# Altium PCB DPC_ICE_UP.PcbDoc
Units mil, origin at the board's own origin, x right, y up, seen from the top; angles counter-clockwise.
Board outline 2000 x 2000 mil, 4 copper layers (Component Side, Inner Layer 1, Inner Layer 2, Solder Side), stack 33.234 mil thick; 106 components, 83 nets, 364 pads, 77 vias.
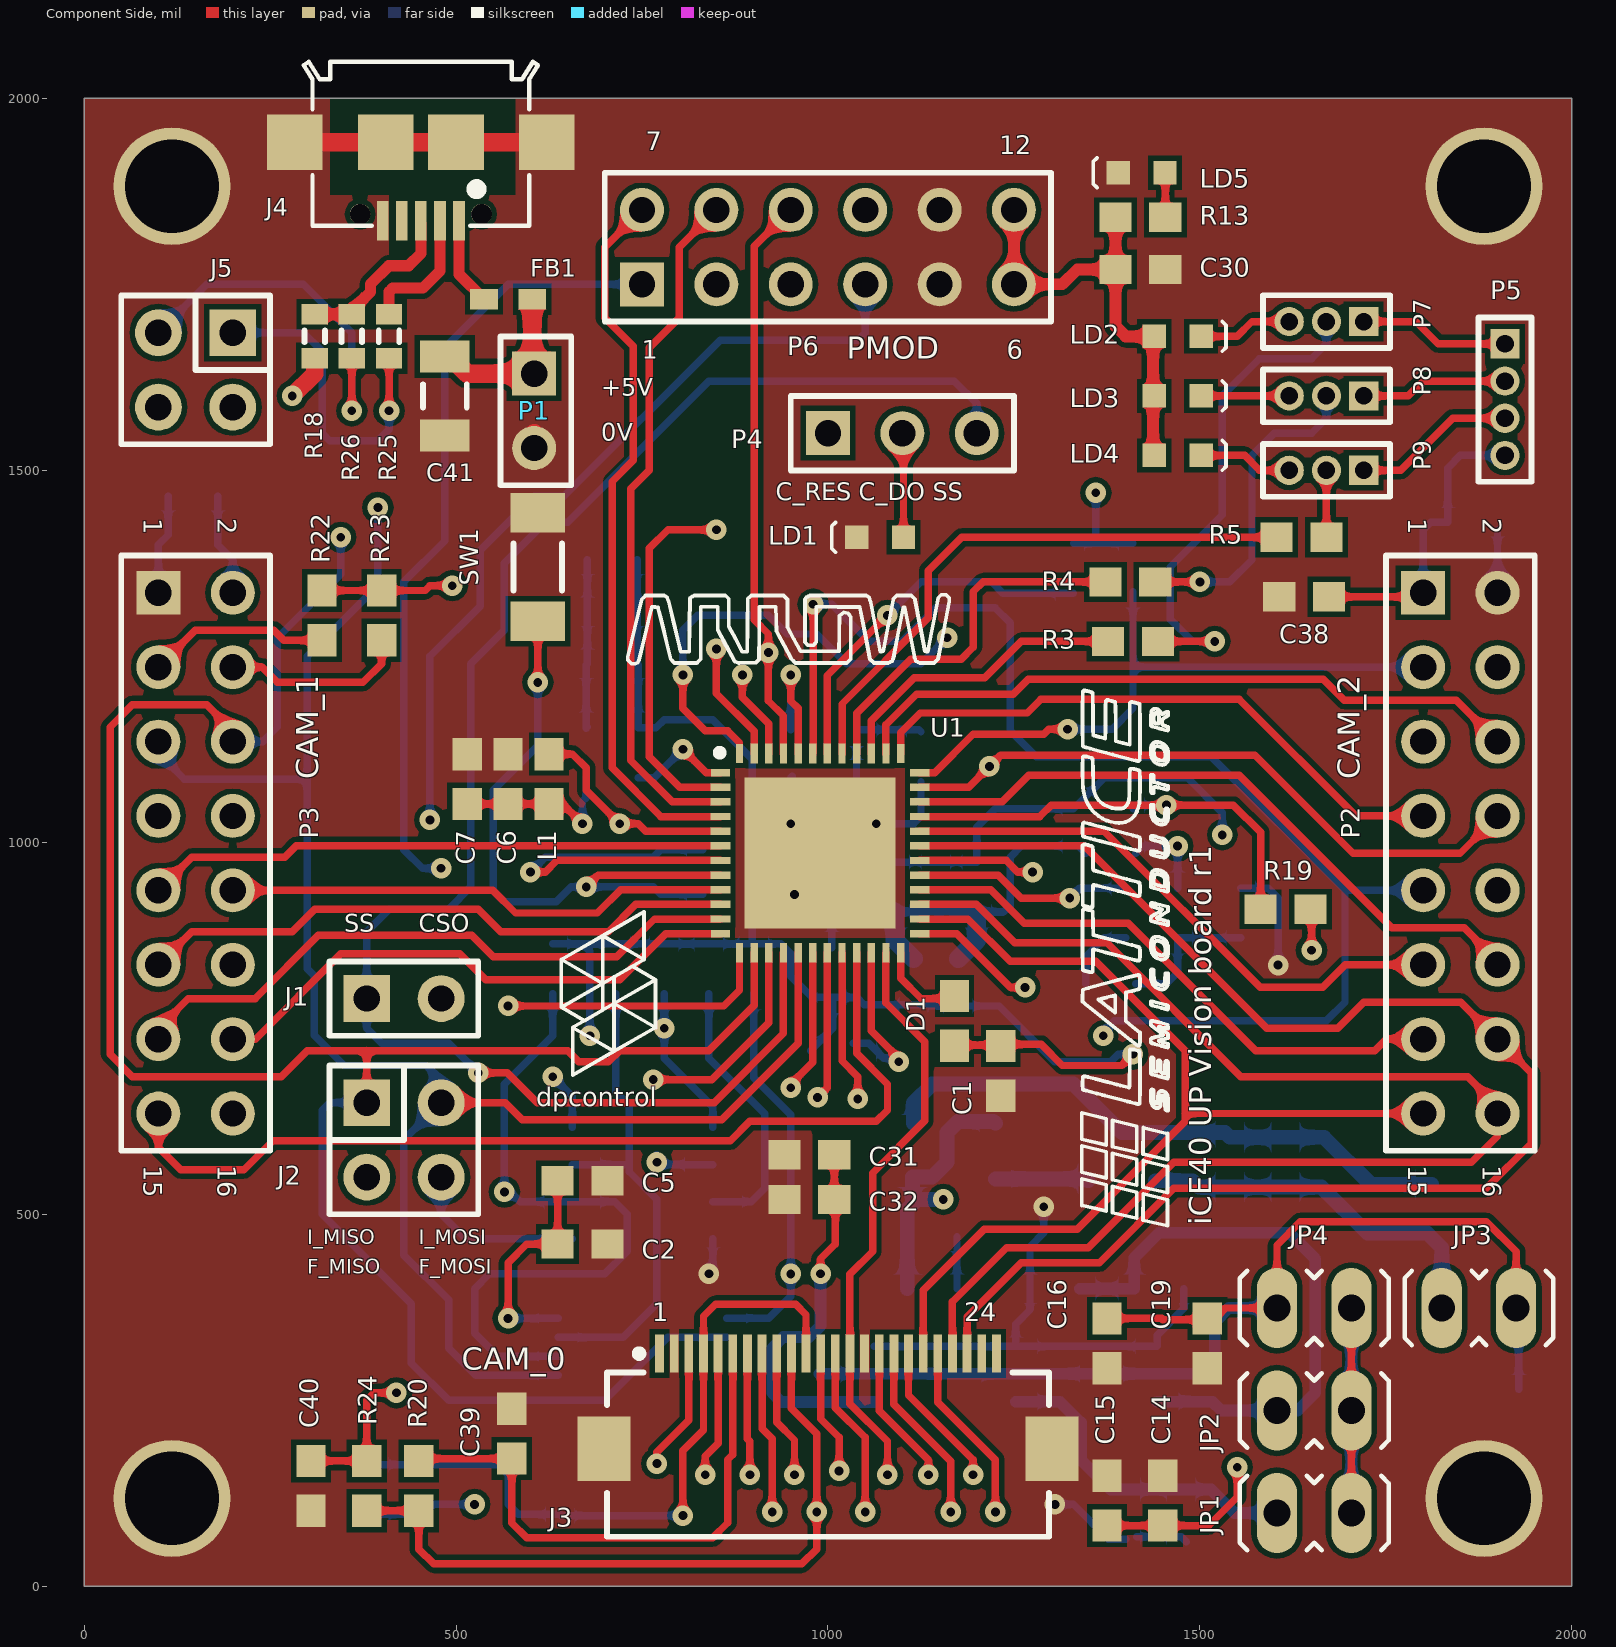
[diagram p0: Component Side view]
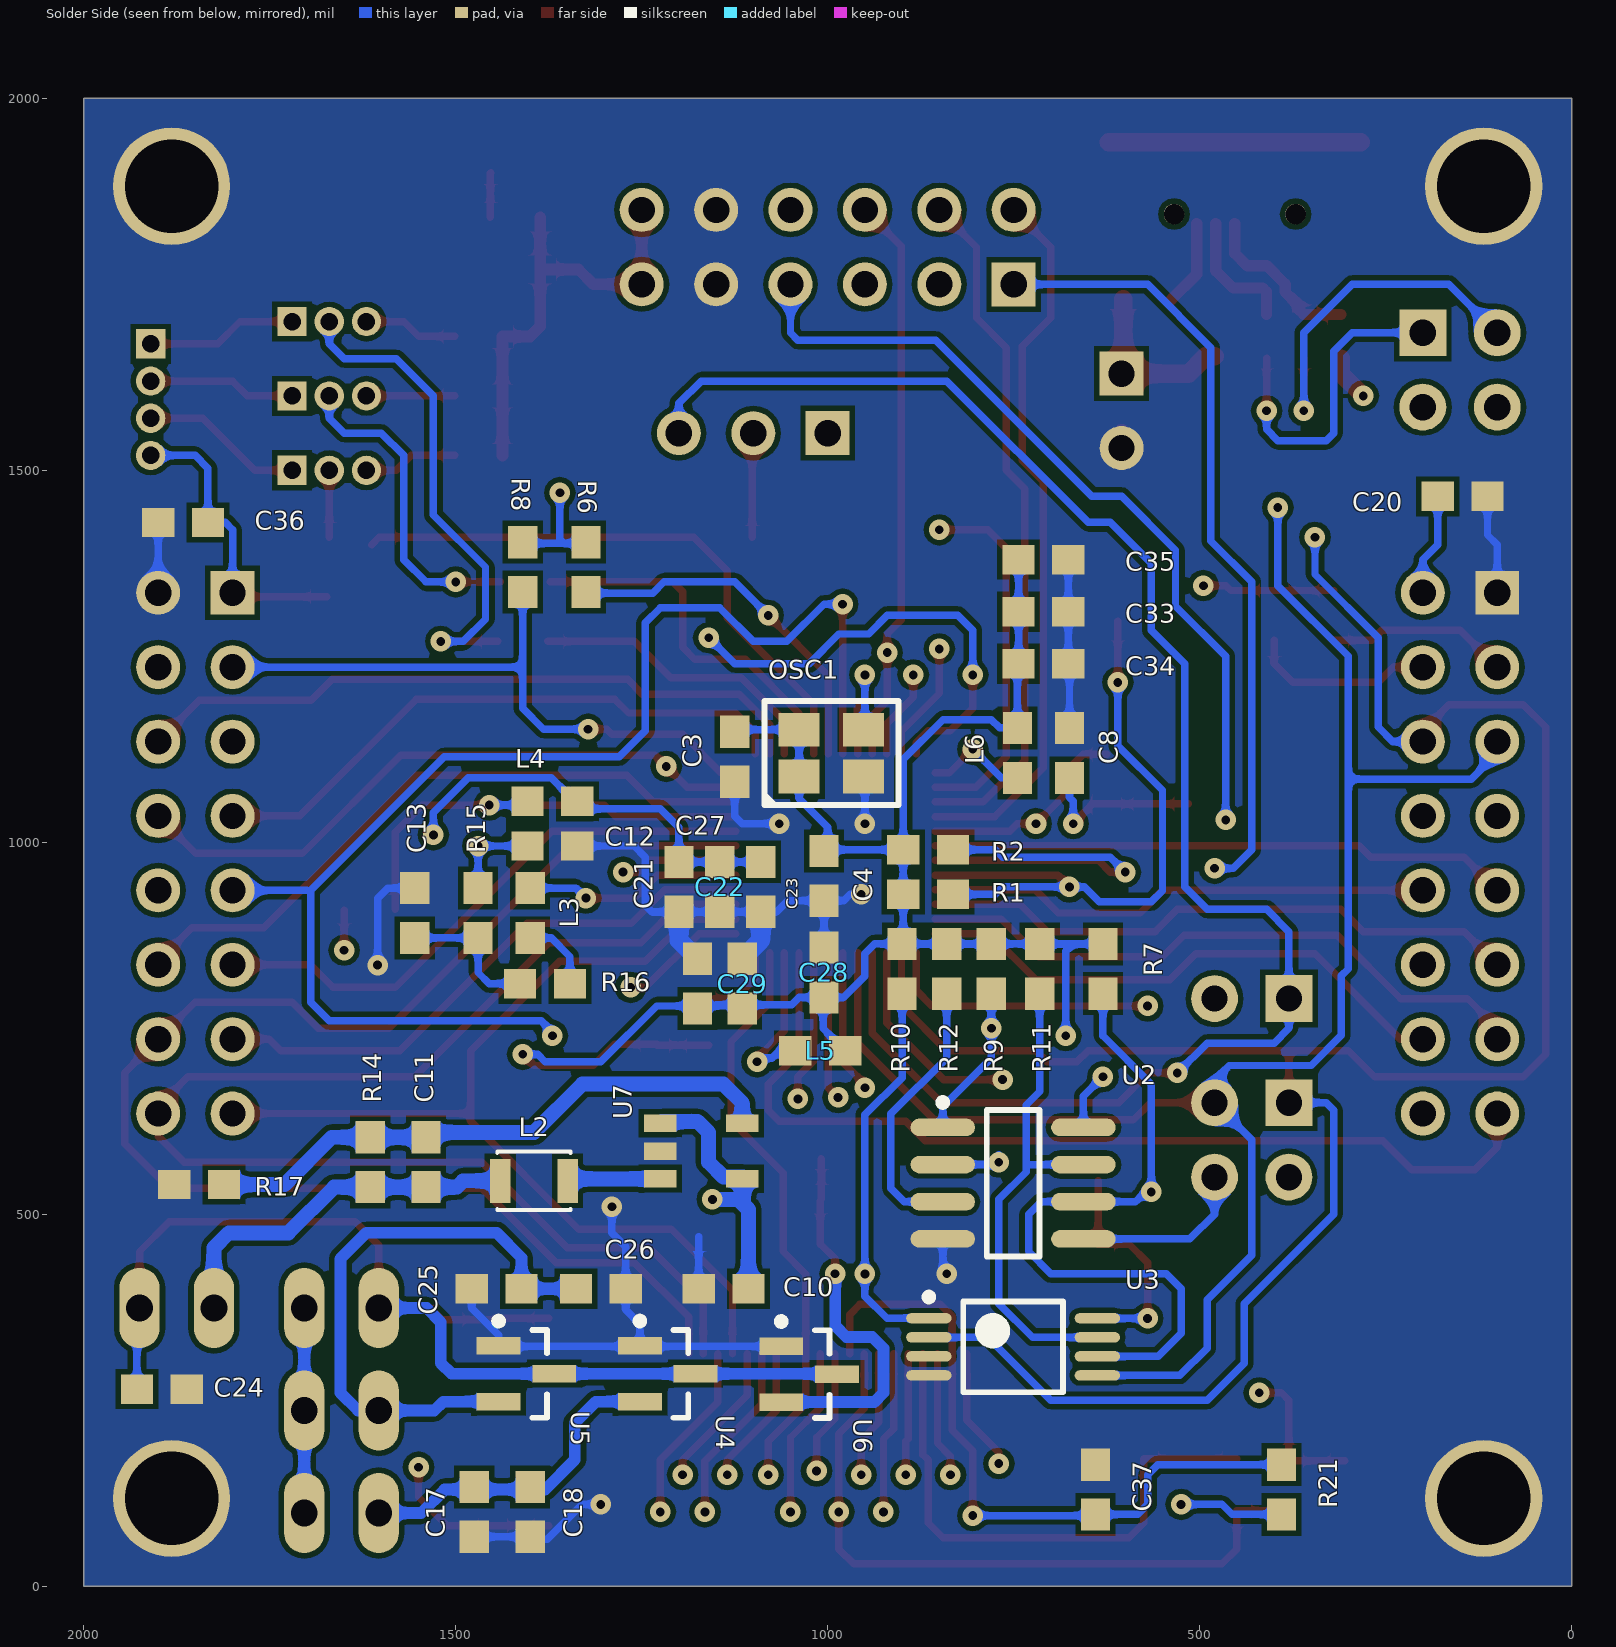
[diagram p1: Solder Side view, seen from below]
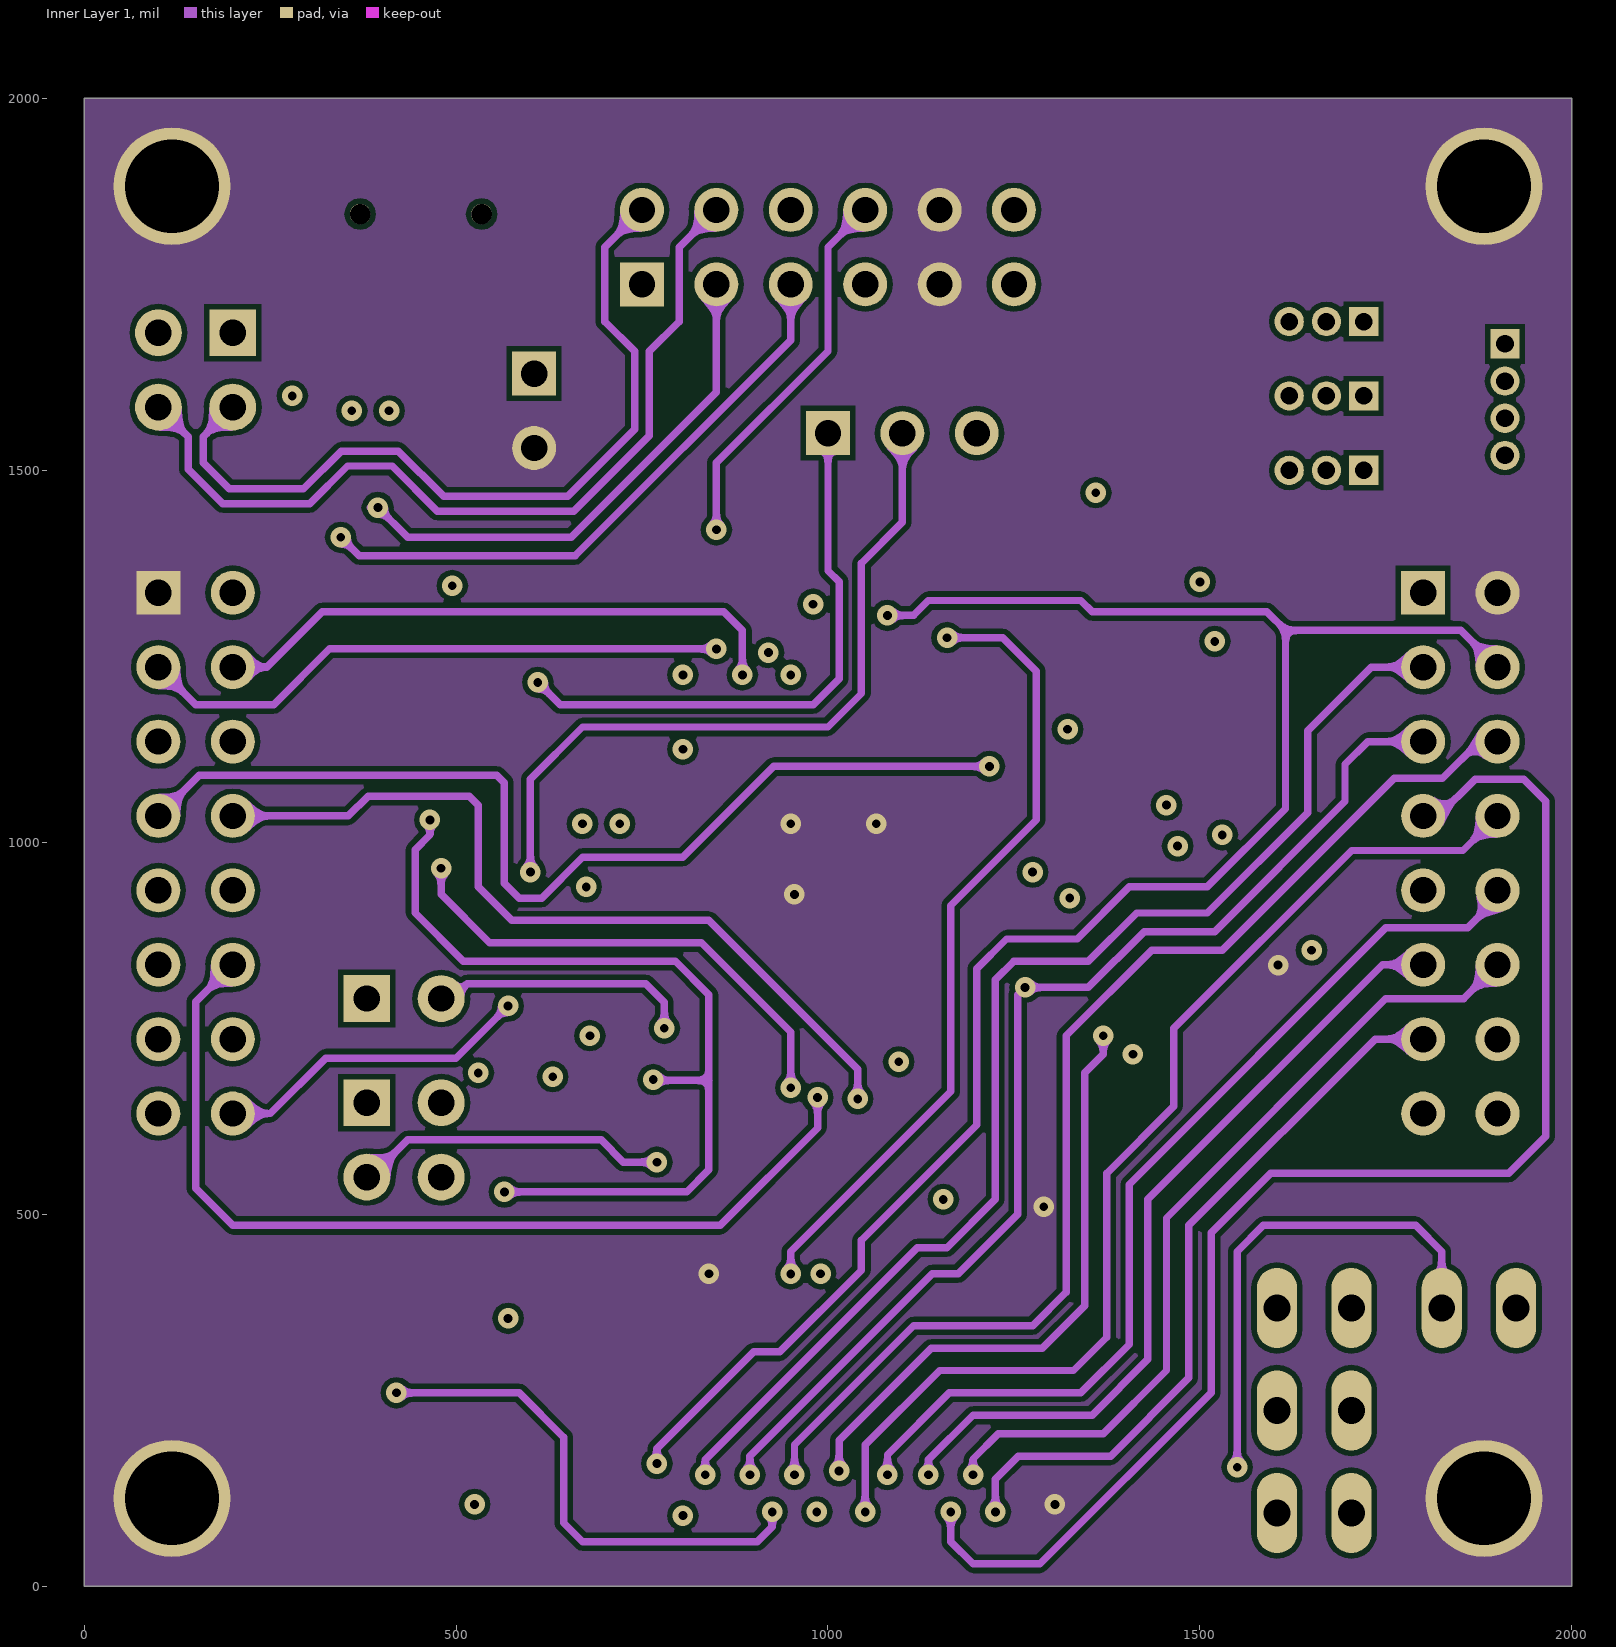
[diagram p2: Inner Layer 1]
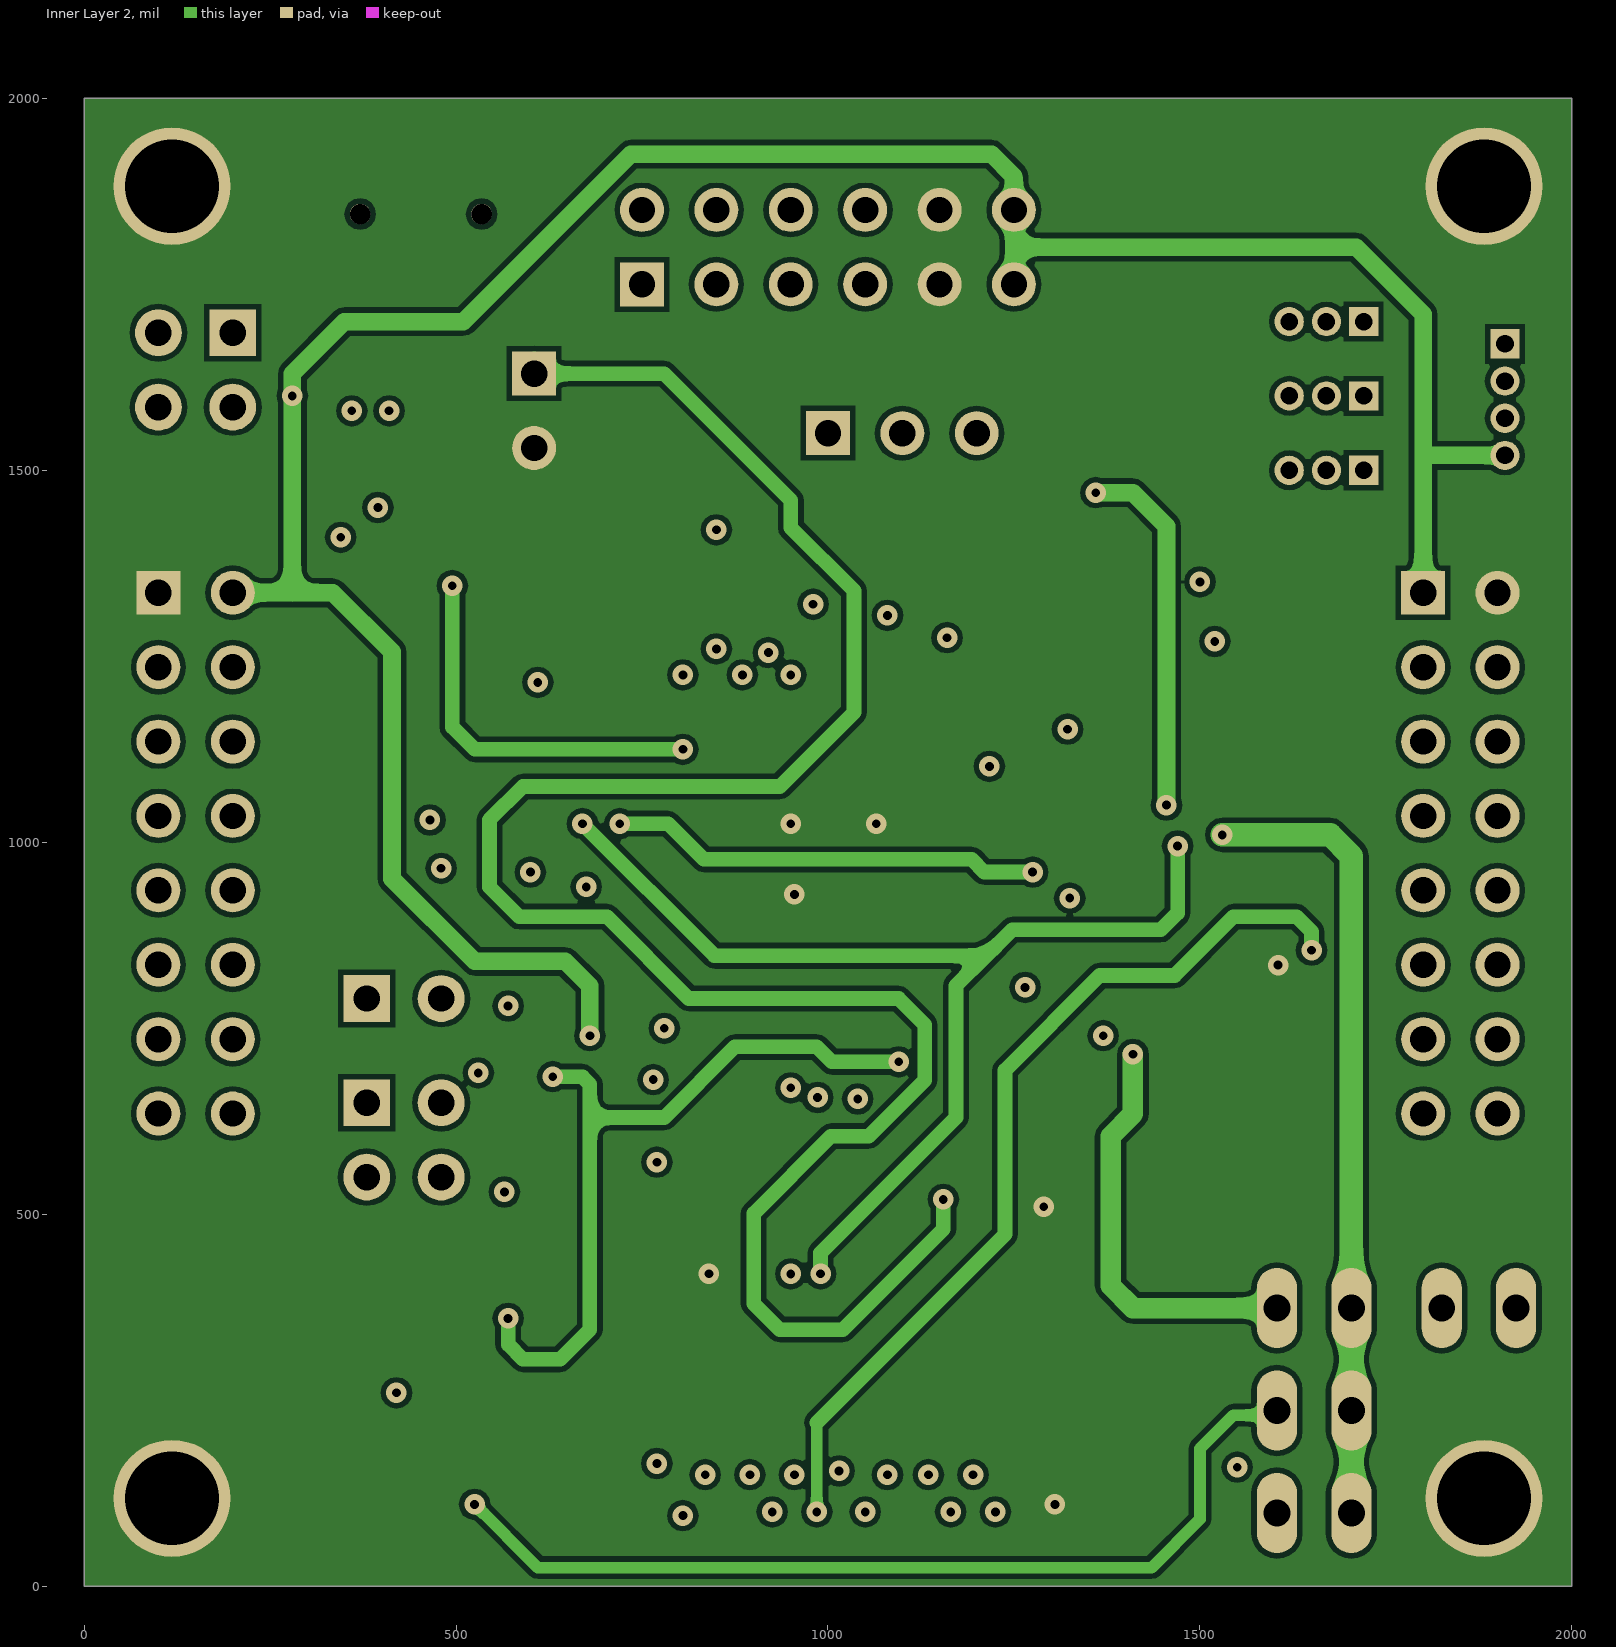
[diagram p3: Inner Layer 2]
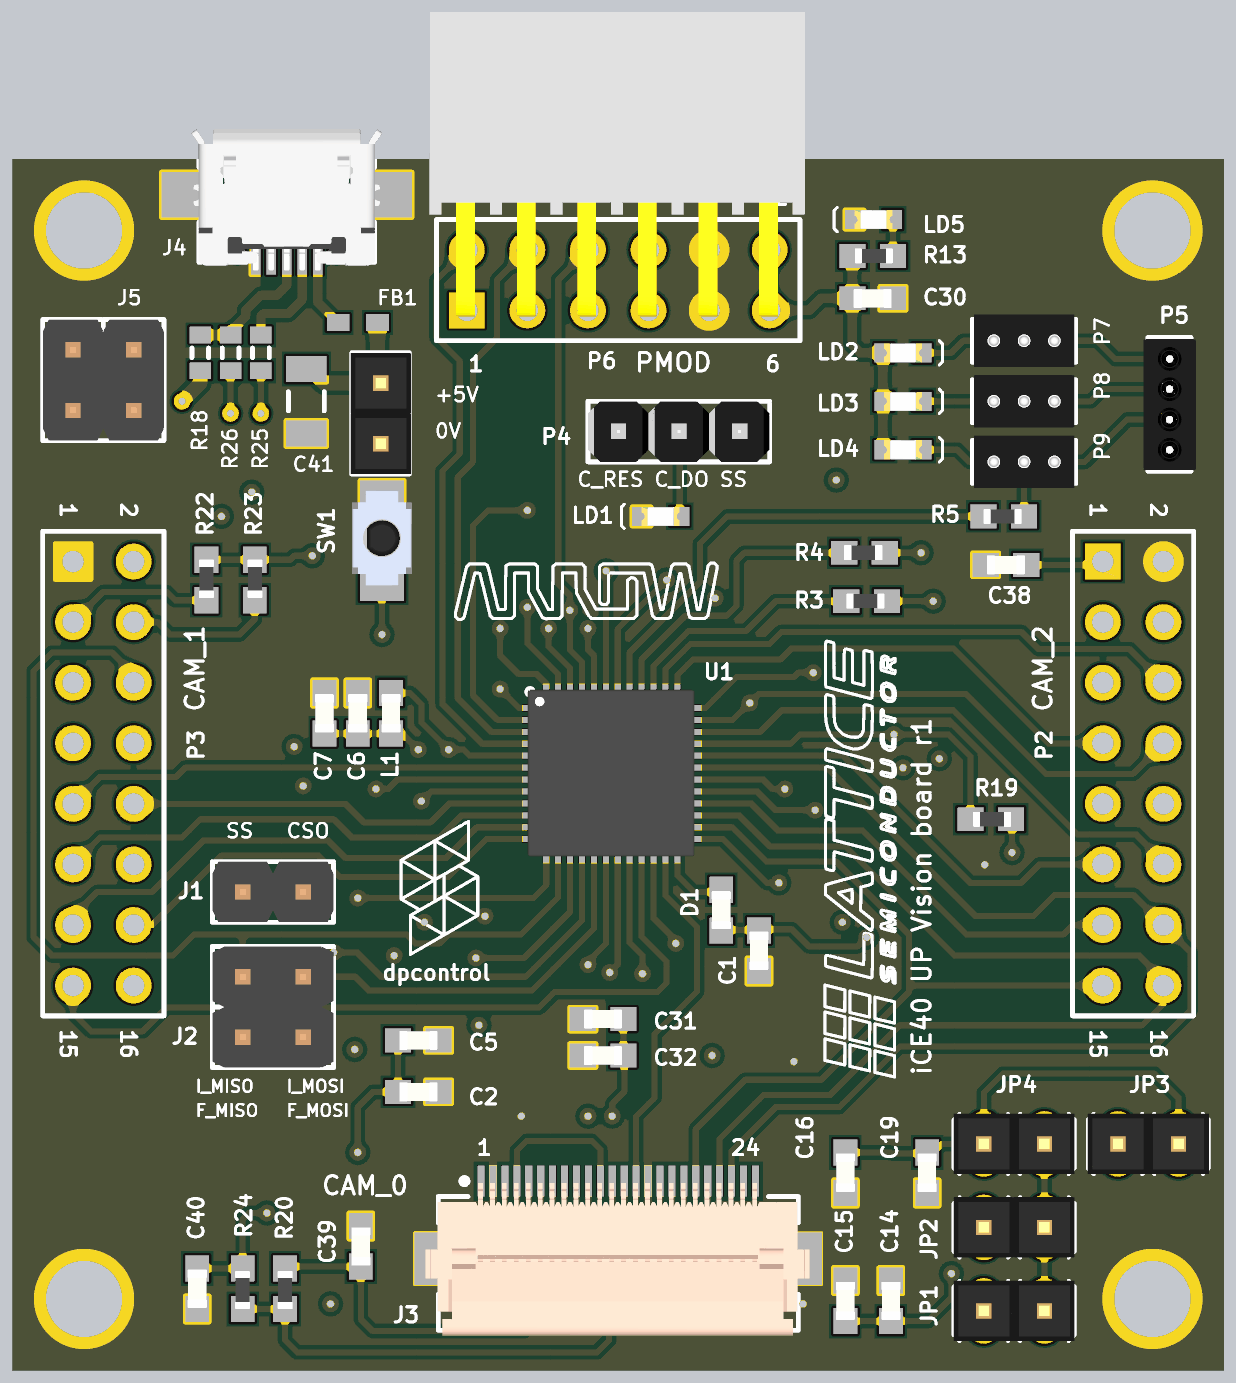
[diagram p4: 3D render of the assembled board from above, using the file's embedded part models]
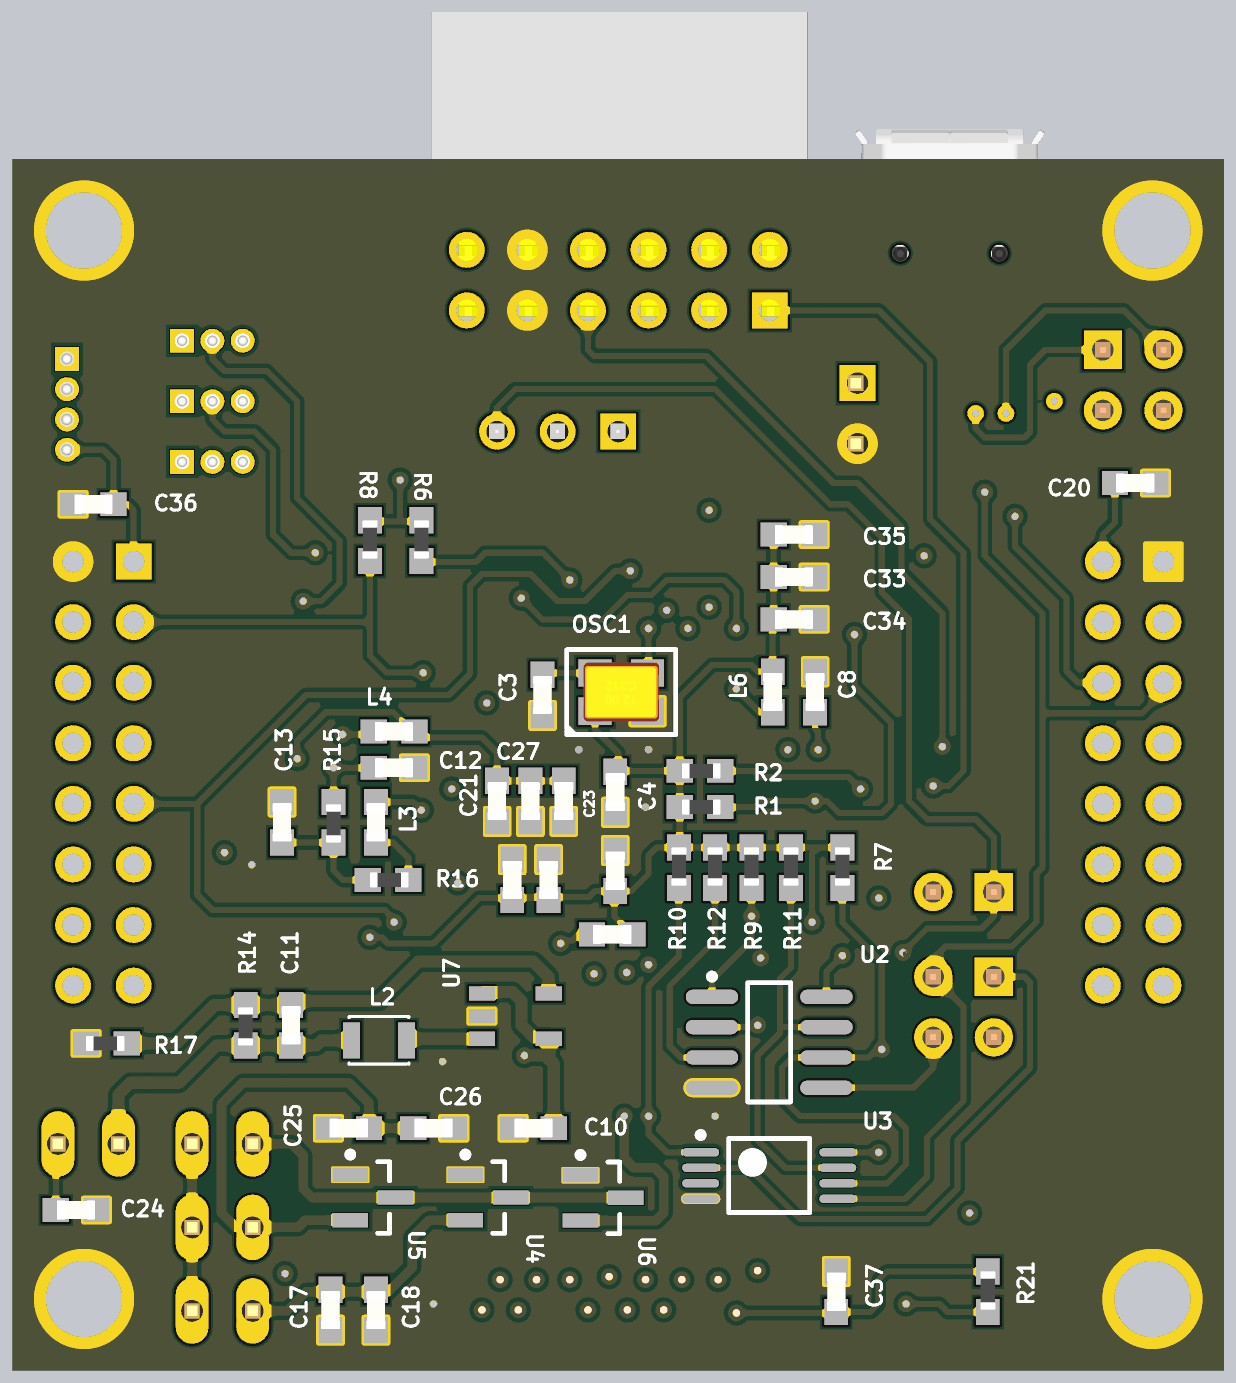
[diagram p5: 3D render of the assembled board from below, using the file's embedded part models]

## Layer stack, top to bottom
Top Solder: solder mask 0.4, Solder Resist, Dk 3.5
Component Side: signal copper 1.4
Dielectric 1: core 12.6, FR-4, Dk 4.8
Inner Layer 1: signal copper 1.4169
Dielectric 6: prepreg 5, Dk 4.2
Inner Layer 2: signal copper 1.4169
Dielectric 5: core 10, Dk 4.2
Solder Side: signal copper 1.4
Bottom Solder: solder mask 0.4, Solder Resist, Dk 3.5

## Board outline
0,0 2000,0 2000,2000 0,2000 0,1000

## Design rules (kind name [scope] priority, off if disabled: settings)
Clearance [All] p1: gap=7 ignorepadtopadclearanceinfootprint=FALSE except(0: Arc-Hole Track-Hole SMDPad-Hole THPad-Hole Via-Hole Fill-Hole Poly-Hole Region-Hole Text-Hole)
DiffPairsRouting [All] p1: maxlimit=10 minlimit=10 mostfreqgap=10 toplayer_minwidth=10 toplayer_maxwidth=15 toplayer_prefwidth=10 midlayer1_minwidth=10 midlayer1_maxwidth=15 midlayer1_prefwidth=10 midlayer2_minwidth=10 midlayer2_maxwidth=15 midlayer2_prefwidth=10 bottomlayer_minwidth=10 bottomlayer_maxwidth=15 bottomlayer_prefwidth=10 maxuncoupledlength=500
HoleSize [All] p1: absolutevalues=TRUE maxlimit=137.8 minlimit=1 maxpercent=80.000 minpercent=20.000
MinimumSolderMaskSliver [All] p1: minsoldermaskwidth=5
PlaneConnect [All] p1: planeconnectstyle=Direct reliefexpansion=20 reliefentries=2 reliefconductorwidth=10 reliefairgap=10
PolygonConnect [All] p1: connectstyle=Direct reliefconductorwidth=10 reliefentries=4 polygonreliefangle="90 Angle" airgapwidth=10
RoomDefinition POWER [InComponentClass('POWER')] p1 off: confinementstyle=ConfineIn formatcopy=TRUE lockcomponents=FALSE outline 2033.15,80 2903.15,80 2903.15,300 2033.15,300
RoomDefinition HEADER [InComponentClass('HEADER')] p2 off: confinementstyle=ConfineIn formatcopy=TRUE lockcomponents=FALSE outline -4324.21,-803.15 -2324.21,-803.15 -2324.21,196.85 -4324.21,196.85
RoomDefinition FPGA [InComponentClass('FPGA')] p3 off: confinementstyle=ConfineIn formatcopy=TRUE lockcomponents=FALSE outline -4324.21,-803.15 -2324.21,-803.15 -2324.21,196.85 -4324.21,196.85
RoutingVias [All] p1: holewidth=11.81 width=27.56 viastyle="Through Hole" minholewidth=7.87 minwidth=23.62 maxholewidth=39.37 maxwidth=59.06
SilkToSilkClearance [All] p1: silktosilkclearance=8
SilkToSolderMaskClearance [IsPad] p1: minsilkscreentomaskgap=3 clearancetoexposedcopper=TRUE
SolderMaskExpansion [All] p1: expansion=4
Width [All] p1: maxlimit=35.43 minlimit=10 preferedwidth=10
24 further rules are at their usual default settings.

## Classes and differential pairs
component class FPGA: C1 C2 C3 C4 C5 D1 J1 J2 LD1 LD2 LD3 LD4 OSC1 P7 P8 P9 R1 R2 R3 R4 R5 R6 R7 R8 R9 R10 R11 R12 R22 R23 SW1 U1 U2 U3
component class HEADER: C36 C37 C38 C39 C40 C41 FB1 J3 J4 J5 P2 P3 P4 P5 P6 R18 R20 R21 R24 R25 R26
component class POWER: C6 C7 C8 C10 C11 C12 C13 C14 C15 C16 C17 C18 C19 C20 C21 C22 C23 C24 C25 C26 C27 C28 C29 C30 C31 C32 C33 C34 C35 JP1 JP2 JP3 JP4 L1 L2 L3 L4 L5 L6 LD5 P1 R13 R14 R15 R16 R17 R19 U4 U5 U6 U7
differential pair USBD_FPGA: +USBD_FPGA_P -USBD_FPGA_N
differential pair USBD: +USBD_P -USBD_N

## Components (designator, comment, footprint, x,y, rotation, side; value= is the part's Value field where it differs from the comment)
C1 "C0603" 0603 1232.28,692.91 r90 top value=100nF
C2 "C0603" 0603 670,460 r180 top value=100nF
C3 "C0603" 0603 1125,1115 r270 bottom value=100nF
C4 "C0603" 0603 1005,955 r90 bottom value=10nF
C5 "C0603" 0603 670,545 r180 top value=100nF
C6 "C0603" 0603 570,1085 r270 top value=1µF
C7 "C0603" 0603 515,1085 r270 top value=100nF
C8 "C0603" 0603 675,1120 r270 bottom value=10nF
C10 "C0603" 0603 1140,400 r180 bottom value=22µF
C11 "C0603" 0603 1540,570 r270 bottom value=22pf
C12 "C0603" 0603 1370,995 r0 bottom value=10µF
C13 "C0603" 0603 1555,905 r270 bottom value=100nF
C14 "C0603" 0603 1450,115 r270 top value=22µF
C15 "C0603" 0603 1375,115 r270 top value=22µF
C16 "C0603" 0603 1375,326.54 r90 top value=10nF
C17 "C0603" 0603 1475,100 r90 bottom value=1µF
C18 "C0603" 0603 1400,100 r90 bottom value=10nF
C19 "C0603" 0603 1510,326.54 r90 top value=10nF
C20 "C0603" 0603 146.54,1465 r0 bottom value=100nF
C21 "C0603" 0603 1200,940 r90 bottom value=10nF
C22 "C0603" 0603 1145,940 r90 bottom value=100nF
C23 "C0603" 0603 1090,940 r90 bottom value=1µF
C24 "C0603" 0603 1895,265 r0 bottom value=10nF
C25 "C0603" 0603 1445,400 r180 bottom value=1µF
C26 "C0603" 0603 1305,400 r0 bottom value=10nF
C27 "C0603" 0603 1175,810 r270 bottom value=1µF
C28 "C0603" 0603 1005,825 r270 bottom value=100nF
C29 "C0603" 0603 1115,810 r270 bottom value=10nF
C30 "C0603" 0603 1420,1770 r180 top value=10nF
C31 "C0603" 0603 975,520 r0 top value=1µF
C32 "C0603" 0603 975,580 r0 top value=10nF
C33 "C0603" 0603 710,1310 r0 bottom value=1µF
C34 "C0603" 0603 710,1240 r0 bottom value=100nF
C35 "C0603" 0603 710,1380 r0 bottom value=10nF
C36 "C0603" 0603 1866.54,1430 r0 bottom value=100nF
C37 "C0603" 0603 640,130 r270 bottom value=100nF
C38 "C0603" 0603 1640,1330 r180 top value=100nF
C39 "C0603" 0603 575,205 r270 top value=100nF
C40 "C0603" 0603 305,135 r90 top value=100nF
C41 "Cap Semi" C1206 485,1600 r90 top value=10uF
D1 "Diode" 0603 1170,760 r90 top value=CDBU0520
FB1 "BLM18PG300SN1D" MURA-BLM18PG_KG-CHIP-2_V1 570,1730 r0 top
J1 "WE-2.54 mm Pin Header & Jumper 61300211121" 61300211121 380,790 r0 top
J2 "WE-2.54 mm Pin Header & Jumper 61300421121" 61300421121 430,600 r270 top
J3 "FH12-24S-0.5SH(55)" FH12-24S-0.5SH 1000,248.7 r0 top locked
J4 "629105136821" 629105136821 452.76,1933.07 r180 top
J5 "WE-2.54 mm Pin Header & Jumper 61300421121" 61300421121 150,1635 r180 top
JP1 "JUMPER" JP1 1653.54,98.43 r270 top
JP2 "JUMPER" JP1 1653.54,236.22 r270 top
JP3 "JUMPER" JP1 1875,374.02 r270 top
JP4 "JUMPER" JP1 1653.54,374.02 r270 top
L1 "BLM18" 0603 625,1085 r90 top value=BLM18HE601SN1D
L2 "1239AS-H-2R2M=P2" INDC2520X100 1395,545 r0 bottom value=2.2µH
L3 "BLM18" 0603 1400,905 r90 bottom value=BLM18HE601SN1D
L4 "BLM18" 0603 1370,1055 r0 bottom value=BLM18HE601SN1D
L5 "BLM18" 0603 1010,720 r0 bottom value=BLM18HE601SN1D
L6 "BLM18" 0603 745,1120 r270 bottom value=BLM18HE601SN1D
LD1 "150060BS75000" LED_0603_BLUE 1070,1410 r180 top
LD2 "150060BS75000" LED_0603_BLUE 1470,1680 r0 top
LD3 "150060GS75000" LED_0603_GREEN 1470,1600 r0 top
LD4 "150060RS75000" LED_0603_RED 1470,1520 r0 top
LD5 "150060RS75000" LED_0603_RED 1421.5,1900 r180 top
OSC1 "OSC XO 24 MHZ" 3.4X2.7-4-PAD 995,1120 r180 bottom value=ASFL1-24.000MHZ-EK-T
P1 "Header 2" HDR1X2 605,1580 r270 top
P2 "Header 8X2" HDR2X8 1850,985.43 r270 top locked
P3 "Header 8X2" HDR2X8 150,985.43 r270 top locked
P4 "PROG" HDR1X3 1000,1550 r0 top
P5 "LED" MHDR1X4 1910,1670 r270 top
P6 "PMOD_SOCK" HDR2X6_CEN 1000,1800 r0 top locked
P7 "MHDR1X3" MHDR1X3 1670,1700 r180 top
P8 "MHDR1X3" MHDR1X3 1670,1600 r180 top
P9 "MHDR1X3" MHDR1X3 1670,1500 r180 top
R1 "ERJ3EK" 3-0603 865,930 r180 bottom value=10kO
R2 "ERJ3EK" 3-0603 865,990 r180 bottom value=2.2kO
R3 "ERJ3EK" 3-0603 1410,1270 r180 top value=68O
R4 "ERJ3EK" 3-0603 1406.54,1350 r180 top value=68O
R5 "ERJ3EK" 3-0603 1636.54,1410 r180 top value=68O
R6 "ERJ3EK" 3-0603 1325,1370 r90 bottom value=10kO
R7 "ERJ3EK" 3-0603 630,830 r90 bottom value=10kO
R8 "ERJ3EK" 3-0603 1410,1370 r90 bottom value=10kO
R9 "ERJ3EK" 3-0603 780,830 r90 bottom value=10kO
R10 "ERJ3EK" 3-0603 900,830 r90 bottom value=10kO
R11 "ERJ3EK" 3-0603 715,830 r90 bottom value=10kO
R12 "ERJ3EK" 3-0603 840,830 r90 bottom value=10kO
R13 "ERJ3EK" 3-0603 1420,1840 r0 top value=200O
R14 "" 3-0603 1615,570 r270 bottom value="226kO 1%"
R15 "ERJ3EK" 3-0603 1470,905 r270 bottom value=0
R16 "ERJ3EK" 3-0603 1380,810 r180 bottom value=100O
R17 "ERJ3EK" 3-0603 1845,540 r0 bottom value="49.9KO 1%"
R18 "Res3" J1-0603 310,1680 r270 top value=1.5k
R19 "ERJ3EK" 3-0603 1615,910 r0 top value=0O
R20 "ERJ3EK" 3-0603 450,135 r270 top value=10kO
R21 "ERJ3EK" 3-0603 390,130 r90 bottom value=0O
R22 "ERJ3EK" 3-0603 320,1305 r90 top value=10kO
R23 "ERJ3EK" 3-0603 400,1305 r90 top value=10kO
R24 "ERJ3EK" 3-0603 380,135 r270 top value=10kO
R25 "Res3" J1-0603 410,1680 r270 top value=68
R26 "Res3" J1-0603 360,1680 r270 top value=68
SW1 "B3U-1000P" "B3U-1000P OMRON" 610,1370 r90 top